# Altium PCB Railgun Control Board PCB Mk2.0.PcbDoc (part 2 of 2)
Units mm, origin at the board's own origin, x right, y up, seen from the top; angles counter-clockwise.
Board outline 60 x 60 mm, 4 copper layers (Top Layer, Layer 1, Layer 2, Bottom Layer), stack 1.312 mm thick; 102 components, 57 nets, 335 pads, 130 vias.
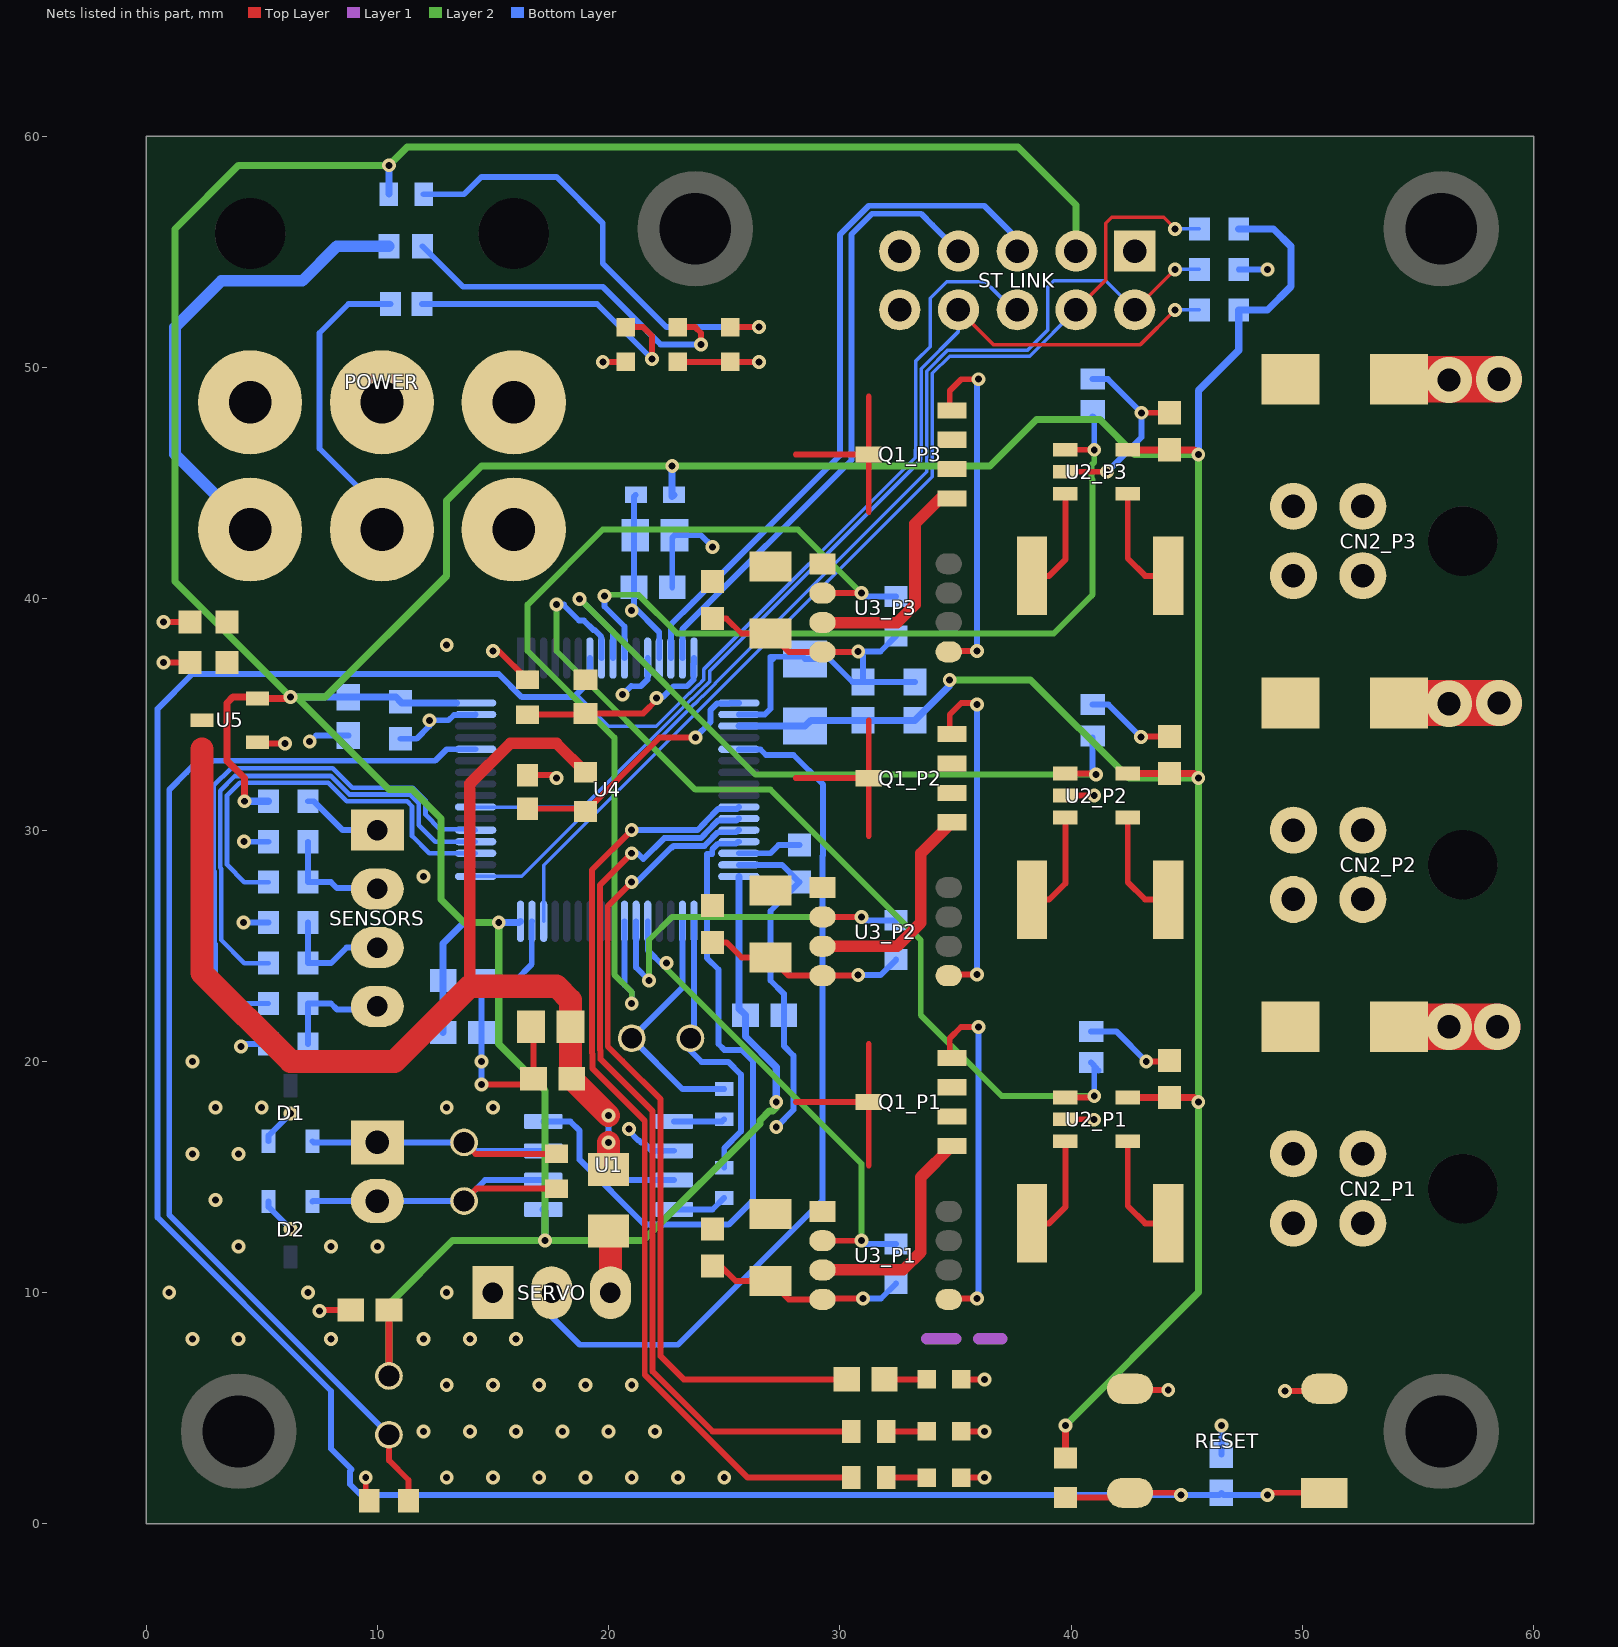
[diagram p4: the nets of this part, all layers, seen from the top]

## Part data (continued)
SERVO: library part CMP-00099-4, "CONN HEADER RT/A .100 3POS 15AU", Color=Black, Contact Current Rating=3A, Contact Resistance=15mR, Flammability Rating="UL94 V-0", Insulation Resistance=5GR, Max Operating Temperature=105°C, Min Operating Temperature=-65°C, Package Quantity=52, Approvals=CSA, Backwall/Post Interruptions="No (Without)", Connector Type=Plug,Header,Pin, Contact Gender=Male, Contact Material=Brass, Contact Mating Length=0.23inch, Contact Plating=Gold,Tin,Matte, Contact Retention="Yes (With)", Contact Shape=Square, Current Rating=3A, Depth=13.59mm, Height=13.59mm, Housing Color=Black, Housing Material=Thermoplastic, Lead Pitch=2.54mm, Length=0.4inch, Mating Alignment="Yes (With)", Mating Retention="Yes (With)", Mount="Through Hole", Number of Contacts=3, Number of Positions=3, Number of Rows=1, Orientation="Right Angle", Packaging=Rail/Tube, PCB Mount Alignment="No (Without)", PCB Mount Retention=Without, PCB Mounting Orientation="Right Angle", Pitch=2.54mm, Plating Thickness=2.54um, REACH SVHC="No SVHC", Row Spacing=0.1inch, Strain Relief="No (Without)", Tail Length=3.3mm, Termination=Crimp, Width=0.4inch
"ST LINK": library part CMP-00011-6, "CONN HEADER VERT 10POS 2.54MM", Color=Black, Package Quantity=1, Connector Type="Male Pin", Contact Plating=Gold, Lead Free="Lead Free", Mount="Through Hole", Number of Positions=10, Number of Rows=2, Packaging=Tray, Pitch=0.1inch, Row Spacing=0.1inch, Termination=Solder
U1: library part CMP-032-0000-2, "1/1 Transceiver Half CANbus 8-SO", Case/Package=SO, Max Operating Temperature=150°C, Max Supply Current=70mA, Max Supply Voltage=5.5V, Min Operating Temperature=-40°C, Min Supply Voltage=4.5V, Package Quantity=2500, Contact Plating=Gold, Data Rate=1Mbps, Interface=CAN, Lead Free="Lead Free", Mount="Surface Mount", Nominal Supply Current=70mA, Number of Pins=8, Number of Transceivers=1, Packaging="Tape and Reel", Propagation Delay=250ns, Radiation Hardening=No, Turn-On Delay Time=250ns
U2_P1 U2_P2 U2_P3: library part CMP-048-0001-2, Component Type=Standard, Created By="Jacob Lower", Created On=2016-03-16, Design Item ID="INA168, Current Sensor, High-Side, Analog", Pin Count=5, Publisher=AUVic, Source=AUVic_Schematic_Library_Sensors.SchLib
U3_P1 U3_P2 U3_P3: library part CMP-028-0000-2, "High-Side or Low-Side Gate Driver IC Non-Inverting 8-SOIC", Case/Package=SOIC, Max Operating Temperature=85°C, Max Output Current=10mA, Max Supply Voltage=30V, Min Operating Temperature=-40°C, Min Supply Voltage=2.75V, Package Quantity=2500, Channel Type=Single, Height=1.48mm, Lead Free="Lead Free", Length=4.93mm, Mount="Surface Mount", Number of Drivers=1, Number of Outputs=1, Number of Pins=8, Packaging="Tape and Reel", Turn-Off Delay Time=30us, Turn-On Delay Time=8ms, Width=3.94mm
U4: library part CMP-00006-2, "STMICROELECTRONICS - STM32F413RGT6 - MCU, ARM CORTEX-M4, 100MHZ, LQFP-64", Case/Package=LQFP, Frequency=100MHz, Max Operating Temperature=85°C, Min Operating Temperature=-40°C, Core Architecture=ARM, Interface=I2C,SPI,USB,IrDA,MMC,SDIO,UART,USART, Memory Size=1MB, Memory Type=FLASH, Number of I/Os=50, Oscillator Type=Internal, Packaging=Tray, Peripherals="Brown-out Detect/Reset,POR,PWM,WDT,DMA,LCD"
U5: library part CMP-00003-1, "IC REG LINEAR 3.3V 250MA SOT23-3", Case/Package=SOT-23-3, Dropout Voltage=400mV, Max Input Voltage=6.6V, Max Operating Temperature=85°C, Max Output Current=250mA, Min Input Voltage=2.5V, Min Operating Temperature=-40°C, Output Voltage=3.3V, Package Quantity=3000, Quiescent Current=1uA, Supplier Part Number 1=AP2138N-3.3TRG1, Accuracy=2%, Created By="Poorna Chander Kalidas", Date Created="June 26, 2020", Height=1.3mm, Lead Free="Lead Free", Length=3.02mm, Mount="Surface Mount", Number of Outputs=1, Number of Pins=3, Number of Regulators=1, Output Current=250mA, Output Type=Fixed, Packaging="Tape and Reel", Polarity=Positive, Supplier 1=Digi-Key, Weight=0.000282oz, Width=1.7mm

## Via types
v1: diameter 0.6, hole 0.3, Top Layer to Bottom Layer, tented both sides, 112 vias
v2: diameter 0.6, hole 0.3, Top Layer to Bottom Layer, 12 vias
v3: diameter 2, hole 1, Top Layer to Bottom Layer, tented both sides, 6 vias

## Nets (pads, with @x,y where several pads share a name; then routed paths per layer and width w, separated by ;. In a path a pad name is that pad's centre, name@x,y a point inside that pad or via, vN(x,y) a via of type N, cw(c..) or ccw(c..) an arc to the next point about the centre after c; other vN are vias at no path point)
3V3: "ST LINK.2" BOOT.1 C3.1 C4_P1.2 C4_P2.2 C4_P3.2 C10.1 C11.1 C12.1 C13.1 C14.1 C15.1 C16.1 C20.2 FB1.1 R8.1 R15.1 R18.1 R24.1 R28.1 U1.5 U2_P1.5 U2_P2.5 U2_P3.5 U4.19 U4.32 U4.48 U4.64 U5.2 | length 298.1
  Top Layer w0.305: v1(4.25,31.25) 4.25,32.25 3.5,33 3.5,35.5 3.75,35.75 4.766,35.75 U5.2@4.816,35.7 6.2,35.7 v1(6.25,35.75) ; BOOT.1@10.5,6.397 C3.1@10.5,9.25 ; R24.1@39.75,2.846 v1(39.75,4.25) ; 40.21,55.04 40.25,55.08 ; U2_P1.5@42.45,18.447 C4_P1.2@44.25,18.447 45.303,18.447 v1(45.5,18.25) ; U2_P2.5@42.45,32.447 C4_P2.2@44.25,32.447 45.303,32.447 v1(45.5,32.25) ; U2_P3.5@42.45,46.447 C4_P3.2@44.25,46.447 45.303,46.447 v1(45.5,46.25)
  Layer 2 w0.305: BOOT.1@10.5,6.397 10.5,9.5 13.25,12.25 v1(17.25,12.25) ; v1(27.25,18.25) 27.25,18 27.114,17.864 26.957,17.864 26.544,17.45 26.544,17.294 21.5,12.25 v1(17.25,12.25) ; v1(34.75,36.5) 38.25,36.5 42.5,32.25 v1(45.5,32.25) ; v1(39.75,4.25) 45.5,10 v1(45.5,18.25) v1(45.5,32.25) ; 40.21,55.04 40.212,55.042 40.212,57.038 37.706,59.544 25.218,59.544 22.282,59.544 11.294,59.544 v1(10.5,58.75) 4,58.75 1.25,56 1.25,40.75 v1(6.25,35.75) v1@6.5,35.75 ; v1@6.5,35.75 7.75,35.75 13,41 13,44.25 14.5,45.75 v1(22.75,45.75) 36.5,45.75 38.5,47.75 41.25,47.75 42.75,46.25 v1(45.5,46.25) v1(45.5,32.25) ; v1@6.5,35.75 10.5,31.75 11.5,31.75 12.75,30.5 12.75,27 13.75,26 v1(15.25,26) 15.25,20.75 17.25,18.75 v1(17.25,12.25)
  Bottom Layer w0.305: v1(4.25,31.25) R8.1@5.3,31.25 ; v1(6.25,35.75) C15.1@8.75,35.75 10.8,35.75 C20.2@11,35.55 11.05,35.5 U4.64@13.419,35.5 ; R28.1@10.5,57.5 v1(10.5,58.75) ; C11.1@12.846,21.25 C10.1@12.846,23.5 12.846,25.096 13.75,26 v1(15.25,26) 16.132,26 U4.48@16.183,26.05 ; U1.5@17.175,13.595 17.25,13.52 v1(17.25,12.25) ; v1(22.75,45.75) 22.75,44.425 FB1.1@22.825,44.5 ; U4.32@25.632,28 25.632,24.706 25.646,24.692 25.646,22.277 C12.1@25.923,22 25.923,21.077 27.25,19.75 v1(27.25,18.25) ; U4.19@25.632,34.5 C16.1@28.5,34.5 28.75,34.75 C14.1@31,34.75 C13.1@33.25,34.75 34.75,36.25 v1(34.75,36.5) ; v1(45.5,46.25) 45.5,49 47.25,50.75 R18.1@47.25,52.5 48.5,52.5 49.5,53.5 49.5,55.25 48.75,56 R15.1@47.25,56
5V: C1.1 C2.1 C18.2 C19.2 F1.2 POWER.4 R17.2 R27.1 U1.3 U5.3 | length 76.7
  Top Layer w0.5: 14,23.25 14,32 15.75,33.75 17.75,33.75 R17.2@19,32.5
  Top Layer w1: 2.416,33.5 2.416,23.834 6.25,20 10.75,20 14,23.25 17.75,23.25 18.35,22.65 C2.1@18.35,21.5 18.35,19.304 C1.1@18.404,19.25 v1(20,17.654) ; F1.2@20,15.33 v1(20,16.492)
  Bottom Layer w0.254: v1(20,17.654) v1(20,16.492) 20,15.5 20.635,14.865 U1.3@22.825,14.865
  Bottom Layer w0.5: POWER.4@4.5,43 1.25,46.25 1.25,51.75 3.25,53.75 6.75,53.75 8.25,55.25 R27.1@10.5,55.25
5V_ADC: R17.1 R20.2 U4.17 | length 11.4
  Top Layer w0.254: R20.2@16.5,30.923 18.877,30.923 R17.1@19,30.8 22.2,34 v1(23.75,34)
  Bottom Layer w0.254: v1(23.75,34) 23.75,34.019 24.411,34.681 24.411,35.2 24.694,35.483 25.233,35.483 25.25,35.5 U4.17@25.632,35.5
5V_DEBUG: "ST LINK.1"
blue: R9.1 U4.27 | length 39.1
  Top Layer w0.254: v1(21,29) 19.621,27.621 19.621,20.505 19.656,20.47 19.656,20.094 21.906,17.844 21.906,6.594 24.5,4 R9.1@30.5,4
  Bottom Layer w0.254: v1(21,29) 21.25,29 21.5,28.75 22.406,29.656 23.997,29.656 24.14,29.799 24.14,29.812 24.484,30.156 24.484,30.17 24.725,30.41 25.529,30.41 25.619,30.5 U4.27@25.632,30.5
BOOT0: BOOT.2 R25.1 U4.60 | length 49
  Top Layer w0.254: BOOT.2@10.5,3.857 10.5,2.75 11.35,1.9 R25.1@11.35,1
  Bottom Layer w0.254: BOOT.2@10.5,3.857 1,13.357 1,31.75 1.75,32.5 2.25,33 8.201,33 10.5,33 12.5,33 13,33.5 U4.60@14.25,33.5
CAN_N: "CAN BUS.2" CAN_PHYS.2 D2.2 R2.2 U1.6 | length 14.6
  Top Layer w0.254: CAN_PHYS.2@13.75,13.96 14.29,14.5 R2.2@17.75,14.5
  Bottom Layer w0.254: D2.2@7.2,13.95 7.21,13.96 10,13.96 CAN_PHYS.2@13.75,13.96 14.655,14.865 U1.6@17.175,14.865
CAN_P: "CAN BUS.1" CAN_PHYS.1 D1.1 R2.1 U1.7 | length 14.4
  Top Layer w0.254: CAN_PHYS.1@13.75,16.5 14.25,16 16.75,16 R2.1@17.75,16
  Bottom Layer w0.254: D1.1@7.2,16.55 7.25,16.5 10,16.5 CAN_PHYS.1@13.75,16.5 14.115,16.135 U1.7@17.175,16.135
"Current Shunt In_P1": D3_P1.2 Q1_P1.1 Q1_P1.2 Q1_P1.3 R6_P1.2 U2_P1.3 U3_P1.3 | length 14.3
  Top Layer w0.254: R6_P1.2@38.3,12.997 39.05,12.997 39.75,13.697 U2_P1.3@39.75,16.547
  Top Layer w0.5: U3_P1.3@29.25,10.977 29.273,11 32.75,11 33.5,11.75 33.5,14.992 Q1_P1.1@34.85,16.342
"Current Shunt In_P2": D3_P2.2 Q1_P2.1 Q1_P2.2 Q1_P2.3 R6_P2.2 U2_P2.3 U3_P2.3 | length 14.2
  Top Layer w0.254: R6_P2.2@38.3,26.997 39.05,26.997 39.75,27.697 U2_P2.3@39.75,30.547
  Top Layer w0.5: U3_P2.3@29.25,24.977 32.477,24.977 33.5,26 33.5,28.992 Q1_P2.1@34.85,30.342
"Current Shunt In_P3": D3_P3.2 Q1_P3.1 Q1_P3.2 Q1_P3.3 R6_P3.2 U2_P3.3 U3_P3.3 | length 14.5
  Top Layer w0.254: R6_P3.2@38.3,40.997 39.05,40.997 39.75,41.697 U2_P3.3@39.75,44.547
  Top Layer w0.5: U3_P3.3@29.25,38.977 32.477,38.977 33.25,39.75 33.25,43.25 34.342,44.342 Q1_P3.1@34.85,44.342
"Current Shunt Out_P1": CN2_P1.3 CN2_P1.4 R6_P1.1 U2_P1.4 | length 4.9
  Top Layer w0.254: U2_P1.4@42.45,16.547 42.45,13.747 43.2,12.997 R6_P1.1@44.2,12.997
"Current Shunt Out_P2": CN2_P2.3 CN2_P2.4 R6_P2.1 U2_P2.4 | length 4.9
  Top Layer w0.254: U2_P2.4@42.45,30.547 42.45,27.747 43.2,26.997 R6_P2.1@44.2,26.997
"Current Shunt Out_P3": CN2_P3.3 CN2_P3.4 R6_P3.1 U2_P3.4 | length 4.9
  Top Layer w0.254: U2_P3.4@42.45,44.547 42.45,41.747 43.2,40.997 R6_P3.1@44.2,40.997
GND: 3V3.1 5V.1 "ST LINK.5" "ST LINK.10" C1.2 C2.2 C3.2 C4_P1.1 C4_P2.1 C4_P3.1 C5_P1.2 C5_P2.2 C5_P3.2 C6_P1.2 C6_P2.2 C6_P3.2 C7.2 C8.2 C9.2 C10.2 C11.2 C12.2 C13.2 C14.2 C15.2 C16.2 C17.2 C18.1 C19.1 C20.1 D1.2 D2.1 D4.1 D5.1 D6.1 NT?.2 R4_P1.1 R4_P2.1 R4_P3.1 R5_P1.2 R5_P2.2 R5_P3.2 R10.2 R11.2 R13.2 R14.1 R19.2 R20.1 R25.2 RESET.3 RESET.4 SERVO.1 U1.2 U2_P1.2 U2_P2.2 U2_P3.2 U3_P1.4 U3_P2.4 U3_P3.4 U4.12 U4.18 U4.31 U4.47 U4.63 U5.1 VBATT.1 | length 130.9
  Top Layer w0.254: v1(0.75,37.25) C19.1@1.9,37.25 ; v1(0.75,39) C18.1@1.9,39 ; U5.1@4.816,33.8 4.866,33.75 v1(6,33.75) ; v1@7.5,9.25 C3.2@8.846,9.25 ; v1(9.5,2) 9.5,1.15 R25.2@9.65,1 ; v1(14.5,19) 16.5,19 C1.2@16.75,19.25 16.75,21.4 C2.2@16.65,21.5 ; v1(15,37.75) 15.25,37.75 R19.2@16.5,36.5 ; R20.1@16.5,32.377 17.623,32.377 v1(17.75,32.25) ; v1(19.75,50.25) VBATT.1@20.75,50.25 ; 5V.1@23,50.25 3V3.1@25.25,50.25 v1@26.5,50.25 ; C5_P1.2@24.5,11.147 24.853,11.147 25.5,10.5 26.997,10.5 C6_P1.2@27,10.497 27.79,9.707 U3_P1.4@29.25,9.707 29.293,9.75 v1(31,9.75) ; C5_P2.2@24.5,25.147 25.103,25.147 25.75,24.5 26.997,24.5 C6_P2.2@27,24.497 27.79,23.707 U3_P2.4@29.25,23.707 30.772,23.707 v1(30.793,23.729) ; C5_P3.2@24.5,39.147 25.103,39.147 25.75,38.5 26.997,38.5 C6_P3.2@27,38.497 27.79,37.707 U3_P3.4@29.25,37.707 30.772,37.707 v1(30.793,37.729) ; D6.1@35.25,2 v1(36.25,2) ; D5.1@35.25,4 v1(36.25,4) ; D4.1@35.25,6.25 v1(36.25,6.25) ; U2_P1.2@39.75,17.497 v1@41,17.497 ; U2_P2.2@39.75,31.497 v1(41,31.497) ; U2_P3.2@39.75,45.497 v1(41.557,45.497) ; RESET.4@42.55,5.846 42.598,5.798 v1(44.202,5.798) v1@44.25,5.75 ; v1@43,34 v1(43.024,34.024) 43.047,34.047 C4_P2.1@44.25,34.047 ; v1@43,48 v1(43.047,48.047) C4_P3.1@44.25,48.047 ; v1(43.25,20) 44.203,20 C4_P1.1@44.25,20.047 ; v1(49.25,5.75) 50.854,5.75 RESET.3@50.95,5.846
  Layer 1 w0.5: 33.75,8 NT?.2@35,8
  Bottom Layer w0.254: v1(4.109,20.65) 4.15,20.65 4.25,20.75 R13.2@5.3,20.75 ; v1(4.242,29.502) 4.244,29.5 R10.2@5.3,29.5 ; v1@4.25,26 R11.2@5.3,26 ; D2.1@5.3,13.95 5.3,13.7 v1(6.25,12.75) ; D1.2@5.3,16.55 5.3,16.8 v1(6.25,17.75) ; v1(7.076,33.826) 7.346,34.096 C15.2@8.75,34.096 ; C20.1@11,33.95 11.7,33.95 12.25,34.5 v1(12.25,34.75) 13.079,34.75 13.312,34.983 14.233,34.983 U4.63@14.25,35 ; v1(14.5,19) v1(14.5,20) C11.2@14.5,21.25 C10.2@14.5,23.5 15.971,23.5 16.677,24.206 16.677,26.044 U4.47@16.691,26.059 ; v1(20.607,35.857) 20.981,36.231 20.991,36.22 21.391,36.22 21.674,36.503 21.674,36.924 21.691,36.941 U4.12@21.691,37.441 ; v1(20.881,17.071) 20.881,16.986 21.287,16.58 21.319,16.58 21.399,16.5 21.5,16.5 21.865,16.135 U1.2@22.825,16.135 ; C8.2@22.75,40.5 22.75,42.65 C7.2@22.85,42.75 24,42.75 v1(24.5,42.25) ; U4.31@25.632,28.5 27.5,28.5 C9.2@28.25,27.75 27,26.5 27,23.5 27.577,22.923 C12.2@27.577,22 27.577,20.673 28,20.25 28,17.907 v1(27.25,17.157) ; U4.18@25.632,35 26.75,35 27,35.25 27,37.393 ; 27.107,37.393 27,37.393 ; v1(30.793,23.729) 31.761,23.729 R5_P2.2@32.433,24.4 ; v1(31,9.75) 31.783,9.75 R5_P1.2@32.433,10.4 ; R5_P3.2@32.433,38.4 31.761,37.729 v1(30.793,37.729) 31,37.522 C14.2@31,36.404 ; C13.2@33.25,36.404 C14.2@31,36.404 ; R4_P1.1@40.866,21.3 41.95,21.3 v1(43.25,20) ; R4_P2.1@40.933,35.428 41.619,35.428 v1(43.024,34.024) ; R4_P3.1@40.933,49.503 41.591,49.503 v1(43.047,48.047) 43.047,46.988 v1(41.557,45.497) ; C17.2@46.5,3 v1(46.5,4.25) ; R14.1@47.25,54.25 v1(48.5,54.25) ; 27,37.393 27,37.5 28.4,37.5 C16.2@28.5,37.4 29.55,37.4 30.546,36.404 C14.2@31,36.404
  other v1: 13,2 15,2 17,2 19,2 21,2 23,2 25,2 12,4 14,4 16,4 18,4 20,4 22,4 13,6 15,6 17,6 19,6 21,6 2,8 4,8 8,8 12,8 14,8 16,8 7.494,9.213 1,10 7,10 13,10 4,12 8,12 10,12 3,14 2,16 4,16 40.982,17.48 3,18 5,18 13,18 15,18 2,20 4.211,26.002 12,28 13,38 26.5,50.251
green: R12.1 U4.26 | length 41.1
  Top Layer w0.254: v1(21,30) 19.277,28.277 19.277,20.363 19.312,20.328 19.312,19.688 21.562,17.438 21.562,6.452 26.014,2 R12.1@30.5,2
  Bottom Layer w0.254: v1(21,30) 23.841,30 24.14,30.299 24.14,30.312 24.484,30.656 24.484,30.67 24.725,30.91 25.543,30.91 U4.26@25.632,31
NetCN4_3: F1.1 SERVO.3 | length 2.7
  Top Layer w1: F1.1@20,12.67 20.08,12.59 SERVO.3@20.08,10
NetCN5_1: R8.2 SENSORS.1 | length 3.5
  Bottom Layer w0.254: R8.2@7,31.25 7.25,31.25 8.5,30 SENSORS.1@10,30
NetD4_2: D4.2 R7.2 | length 2
  Top Layer w0.254: R7.2@31.731,6.25 D4.2@33.75,6.25
NetD5_2: D5.2 R9.2 | length 1.7
  Top Layer w0.254: R9.2@32,4 D5.2@33.75,4
NetD6_2: D6.2 R12.2 | length 1.7
  Top Layer w0.254: R12.2@32,2 D6.2@33.75,2
NetD8_2: R26.2 VBATT.2 | length 13.2
  Top Layer w0.254: VBATT.2@20.75,51.75 21.5,51.75 21.875,51.375 v1(21.875,50.375)
  Bottom Layer w0.254: R26.2@11.925,52.75 19.5,52.75 v1(21.875,50.375)
NetD9_2: 5V.2 R27.2 | length 15.4
  Top Layer w0.254: 5V.2@23,51.75 23.75,51.75 24,51.5 v1(24,51)
  Bottom Layer w0.254: R27.2@11.95,55.25 13.7,53.5 19.75,53.5 22,51.25 22.25,51 v1(24,51)
NetD10_2: 3V3.2 R28.2 | length 19.8
  Top Layer w0.254: 3V3.2@25.25,51.75 v1(26.5,51.75)
  Bottom Layer w0.254: R28.2@12,57.5 13.75,57.5 14.5,58.25 17.75,58.25 19.75,56.25 19.75,54.5 22.5,51.75 v1(26.5,51.75)
NetJP1_1: CAN_DEBUG.1 R1.1 U4.34 | length 10.9
  Bottom Layer w0.254: U4.34@23.191,26.059 23.191,23.191 CAN_DEBUG.1@21,21 23.2,18.8 R1.1@25,18.8
NetJP1_2: CAN_DEBUG.2 R3.1 U4.33 | length 12.6
  Bottom Layer w0.254: U4.33@23.691,26.059 23.691,24.441 23.691,21.151 CAN_DEBUG.2@23.54,21 23.54,20.46 24.02,19.98 25.174,19.98 25.727,19.427 25.727,16.977 25,16.25 R3.1@25,15.4
NetQ1_P1_4: Q1_P1.4 U3_P1.5 | length 15.4
  Top Layer w0.254: U3_P1.5@34.71,9.707 34.75,9.667 34.833,9.75 v1(35.933,9.75) ; Q1_P1.4@34.85,20.152 34.75,20.252 34.75,21 35.242,21.492 v1(36,21.492)
  Bottom Layer w0.254: v1(35.933,9.75) 36,9.817 v1(36,21.492)
NetQ1_P2_4: Q1_P2.4 U3_P2.5 | length 15.3
  Top Layer w0.254: U3_P2.5@34.71,23.707 34.75,23.667 34.833,23.75 v1(35.933,23.75) ; Q1_P2.4@34.85,34.152 34.75,34.252 34.75,35 35.25,35.5 35.866,35.5 v1(35.933,35.433)
  Bottom Layer w0.254: v1(35.933,23.75) 35.933,34.264 v1(35.933,35.433)
NetQ1_P3_4: Q1_P3.4 U3_P3.5 | length 15.4
  Top Layer w0.254: U3_P3.5@34.71,37.707 34.75,37.667 34.833,37.75 v1(35.933,37.75) ; Q1_P3.4@34.85,48.152 34.75,48.252 34.75,49 35.25,49.5 v1(36,49.5)
  Bottom Layer w0.254: v1(35.933,37.75) 35.933,48.264 35.933,49.433 v1(36,49.5)
NetR1_2: R1.2 U1.1 | length 2.2
  Bottom Layer w0.254: U1.1@22.825,17.405 24.905,17.405 R1.2@25,17.5
NetR3_2: R3.2 U1.4 | length 2.4
  Bottom Layer w0.254: U1.4@22.825,13.595 24.495,13.595 R3.2@25,14.1
NetR21_1: R21.1 U4.51 | length 18.1
  Bottom Layer w0.203: R21.1@5.3,27.75 4.25,27.75 3.5,28.5 3.5,31.5 4.052,32.052 7.869,32.052 8.676,31.245 8.755,31.245 11.023,31.245 11.29,31.245 11.499,31.036 11.499,30.769 11.499,30.087 11.499,29.751 12.25,29 U4.51@14.25,29
NetR22_1: R22.1 U4.52 | length 22
  Bottom Layer w0.203: R22.1@5.3,24.25 4.25,24.25 3.25,25.25 3.25,28.335 3.207,28.379 3.207,31.707 3.845,32.345 7.991,32.345 8.798,31.538 9.212,31.538 11.144,31.538 11.412,31.538 11.792,31.158 11.792,30.89 11.792,30.208 12.5,29.5 U4.52@14.25,29.5
NetR23_1: R23.1 U4.53 | length 24.1
  Bottom Layer w0.203: R23.1@5.3,22.5 4.25,22.5 3,23.75 3,25.085 2.957,25.129 2.957,28.214 2.914,28.257 2.914,31.914 3.681,32.681 8.069,32.681 8.919,31.831 11.265,31.831 11.533,31.831 12.085,31.279 12.085,30.661 12.704,30.042 14.208,30.042 U4.53@14.25,30
NetU1_8: U1.8 U4.29 | length 30.1
  Bottom Layer w0.254: U1.8@17.175,17.405 18.345,17.405 18.75,17 18.75,15.75 21.557,12.943 25.193,12.943 26.25,14 26.25,20 25.75,20.5 25,20.5 24.75,20.75 24.75,22.75 24.75,23.5 24.75,23.972 24.25,24.472 24.25,27.5 24.25,28.968 24.484,28.968 24.484,29.17 24.725,29.41 25.502,29.41 25.592,29.5 U4.29@25.632,29.5
NRST: "ST LINK.8" C17.1 R24.2 RESET.1 RESET.2 U4.7 | length 137.6
  Top Layer w0.254: R24.2@39.75,1.146 42.35,1.146 RESET.2@42.55,1.346 v1@44.75,1.346 ; v1@48.5,1.346 RESET.1@50.95,1.346
  Bottom Layer w0.152: 18.625,35.875 20,34.5 22.064,34.5 23.491,35.927 23.513,35.927 23.857,36.271 23.87,36.271 24.124,36.524 24.124,36.966 33.265,46.108 33.265,46.451 33.273,46.458 33.273,50.273 33.911,50.911 33.911,53.005 34.625,53.719 36.281,53.719 36.75,53.25 37.5,52.5 37.67,52.5
  Bottom Layer w0.254: U4.7@19.191,37.441 19.191,36.441 18.625,35.875 18.5,35.75 16.25,35.75 15.25,36.75 2,36.75 0.5,35.25 0.5,13.25 8,5.75 8,3.25 8.893,2.357 8.819,2.282 8.819,1.718 9.218,1.319 9.782,1.319 9.857,1.393 10,1.25 v1(44.75,1.25) 46.404,1.25 C17.1@46.5,1.346 46.596,1.25 v1(48.5,1.25)
PGND: CN2_P1.1 CN2_P1.2 CN2_P2.1 CN2_P2.2 CN2_P3.1 CN2_P3.2 D3_P1.1 D3_P2.1 D3_P3.1 NT?.1 POWER.1 POWER.2 POWER.3 | length 13.9
  Top Layer w2: D3_P1.1@54.183,21.5 v3(56.341,21.5) v3(58.432,21.5) ; D3_P2.1@54.183,35.5 v3(58.5,35.5) ; D3_P3.1@54.183,49.5 v3(58.5,49.5)
  Layer 1 w0.5: NT?.1@36,8 37,8
  other v3: 56.341,35.464 56.341,49.464
Phase_Current1: R4_P1.2 U2_P1.1 U4.8 | length 41.5
  Top Layer w0.254: U2_P1.1@39.75,18.447 v2@41,18.447
  Layer 2 w0.254: v2(17.75,39.75) 17.75,37.75 23.75,31.75 27,31.75 33.5,25.25 33.5,23.875 33.5,23 33.5,22 37,18.5 v2(41,18.5)
  Bottom Layer w0.254: v2(17.75,39.75) 18.069,39.75 18.069,39.718 18.718,39.069 18.931,39.069 19.338,38.662 19.391,38.662 19.674,38.379 19.674,38.326 19.691,38.309 U4.8@19.691,37.441 ; R4_P1.2@40.866,19.95 41,19.816 v2(41,18.5) ; R4_P1.2@41.049,19.743 R4_P1.2@41.188,19.604
Phase_Current2: R4_P2.2 U2_P2.1 U4.9 | length 31.5
  Top Layer w0.254: U2_P2.1@39.75,32.447 v2@41,32.447
  Layer 2 w0.254: v2(18.75,40) 26.346,32.404 v2(41.072,32.404)
  Bottom Layer w0.254: v2(18.75,40) 20.191,38.559 U4.9@20.191,37.441 ; R4_P2.2@40.933,34 40.933,32.543 v2(41.072,32.404)
Phase_Current3: R4_P3.2 U2_P3.1 U4.10 | length 34.6
  Top Layer w0.254: U2_P3.1@39.75,46.447 v2(41,46.447)
  Layer 2 w0.254: v2(19.827,40.131) 19.877,40.181 20.718,40.181 21.282,40.181 22.963,38.5 39.25,38.5 40.876,40.126 40.933,40.183 40.933,45.158 40.876,45.215 40.876,45.779 40.933,45.837 41,45.904 v2(41,46.447)
  Bottom Layer w0.254: v2(19.827,40.131) 19.827,39.673 20.691,38.809 U4.10@20.691,37.441 ; R4_P3.2@40.933,47.9 41,47.833 v2(41,46.447)
Phase_Input1: R5_P1.1 U3_P1.2 U4.37 | length 21.2
  Top Layer w0.254: U3_P1.2@29.25,12.247 30.93,12.247 v2(30.933,12.25)
  Layer 2 w0.254: v2(22.5,24.25) 22.5,24.192 22.409,24.101 30.933,15.577 v2(30.933,12.25)
  Bottom Layer w0.254: U4.37@21.691,26.059 21.691,24.809 22.371,24.129 22.425,24.129 22.5,24.204 v2(22.5,24.25) ; v2(30.933,12.25) 31.083,12.1 R5_P1.1@32.433,12.1
Phase_Input2: R5_P2.1 U3_P2.2 U4.38 | length 17.4
  Top Layer w0.254: U3_P2.2@29.25,26.247 30.93,26.247 v2(30.933,26.25)
  Layer 2 w0.254: v2(21.75,23.5) 21.75,25.25 22.75,26.25 v2(30.933,26.25)
  Bottom Layer w0.254: U4.38@21.191,26.059 21.191,24.059 v2(21.75,23.5) ; v2(30.933,26.25) 31.083,26.1 R5_P2.1@32.433,26.1
Phase_Input3: R5_P3.1 U3_P3.2 U4.39 | length 43
  Top Layer w0.254: U3_P3.2@29.25,40.247 30.93,40.247 v2(30.933,40.25)
  Layer 2 w0.254: v2(21,22.5) 21,23 20.25,23.75 20.25,34 16.5,37.75 16.5,39.75 19.75,43 28.183,43 v2(30.933,40.25)
  Bottom Layer w0.254: U4.39@20.691,26.059 20.691,23.309 21,23 v2(21,22.5) ; v2(30.933,40.25) 31.083,40.1 R5_P3.1@32.433,40.1
red: R7.1 U4.28 | length 36.1
  Top Layer w0.254: v1(21,27.75) 19.965,26.715 19.965,20.648 20.594,20.019 22.25,18.363 22.25,7.25 23.25,6.25 R7.1@30.5,6.25
  Bottom Layer w0.254: v1(21,27.75) 21.211,27.75 22.711,29.25 22.75,29.25 22.812,29.312 24.14,29.312 ; 24.14,29.312 24.484,29.656 24.484,29.67 24.725,29.91 25.516,29.91 25.605,30 U4.28@25.632,30
"Sensor Input 1": R10.1 R21.2 SENSORS.2 | length 4.9
  Bottom Layer w0.254: R10.1@7,29.5 R21.2@7,27.75 8,27.75 8.25,27.5 9.96,27.5 SENSORS.2@10,27.46
"Sensor Input 2": R11.1 R22.2 SENSORS.3 | length 5
  Bottom Layer w0.254: R11.1@7,26 R22.2@7,24.25 8,24.25 8.67,24.92 SENSORS.3@10,24.92
"Sensor Input 3": R13.1 R23.2 SENSORS.4 | length 4.9
  Bottom Layer w0.254: R13.1@7,20.75 R23.2@7,22.5 8,22.5 8.25,22.25 9.87,22.25 SENSORS.4@10,22.38
"Servo Motor": SERVO.2 U4.21 | length 38.1
  Bottom Layer w0.254: SERVO.2@17.54,10 17.54,8.96 18.75,7.75 23,7.75 29.25,14 29.25,28.888 29.269,28.907 29.269,31.981 28,33.25 26.804,33.25 26.57,33.483 25.649,33.483 U4.21@25.632,33.5
SWCLK: "ST LINK.6" R14.2 U4.49 | length 46.9
  Top Layer w0.152: 42.75,52.5 v1(44.5,54.25)
  Bottom Layer w0.152: U4.49@14.25,28 16.25,28 23.692,35.442 23.714,35.442 24.058,35.786 24.071,35.786 24.608,36.323 24.608,36.358 33.75,45.5 33.75,46.25 33.758,46.258 33.758,49.85 34.65,50.742 38.11,50.742 39,51.633 39,51.986 38.991,51.995 38.991,53.005 39,53.014 39,53.5 39.25,53.75 41.5,53.75 42.75,52.5 ; v1(44.5,54.25) R14.2@45.55,54.25
SWDIO: "ST LINK.7" R15.2 U4.46 | length 46.6
  Top Layer w0.152: 40.21,52.5 41.5,53.79 41.5,56.25 41.75,56.5 44,56.5 v1(44.5,56)
  Bottom Layer w0.152: U4.46@17.191,26.059 17.191,28.48 24.961,36.25 34,45.289 34,49.75 34.75,50.5 38.21,50.5 40.21,52.5 ; v1(44.5,56) R15.2@45.55,56
SWO: "ST LINK.9" R18.2 U4.55 | length 44.6
  Top Layer w0.152: 35.13,52.5 36.63,51 43,51 v1(44.5,52.5)
  Bottom Layer w0.152: U4.55@14.25,31 18.907,31 23.592,35.684 23.613,35.684 23.957,36.028 23.971,36.028 24.366,36.424 24.366,36.866 33.508,46.008 33.508,46.35 33.515,46.358 33.515,49.951 35.13,51.566 35.13,52.5 ; v1(44.5,52.5) R18.2@45.55,52.5
UART_RX: "ST LINK.4" U4.15 | length 27
  Bottom Layer w0.254: U4.15@23.191,37.441 23.191,38.691 30.5,46 30.5,55.764 31.392,56.656 33.514,56.656 34,56.17 35.13,55.04
UART_TX: "ST LINK.3" U4.14 | length 30.7
  Bottom Layer w0.254: U4.14@22.691,37.441 22.691,38.894 23.656,39.858 30,46.202 30,55.75 31.25,57 36.25,57 37.67,55.58 37.67,55.04
VBATT: C5_P1.1 C5_P2.1 C5_P3.1 C6_P1.1 C6_P2.1 C6_P3.1 POWER.5 POWER.6 Q1_P1.5 Q1_P2.5 Q1_P3.5 R16.1 R26.1 U3_P1.1 U3_P2.1 U3_P3.1 | length 37.9
  Top Layer w0.254: 28.091,18.242 28.096,18.247 Q1_P1.5@31.25,18.247 ; 28.091,32.242 28.096,32.247 Q1_P2.5@31.25,32.247 ; 28.091,46.242 28.096,46.247 Q1_P3.5@31.25,46.247 ; 31.25,15.5 Q1_P1.5@31.25,18.247 ; 31.25,20.75 Q1_P1.5@31.25,18.247 ; 31.25,29.75 Q1_P2.5@31.25,32.247 ; 31.25,34.75 Q1_P2.5@31.25,32.247 ; 31.25,43.75 Q1_P3.5@31.25,46.247 ; 31.25,48.75 Q1_P3.5@31.25,46.247
  Bottom Layer w0.254: POWER.5@10.2,43 10.2,43.8 7.5,46.5 7.5,51.5 8.75,52.75 R26.1@10.575,52.75
VBATT_ADC: R16.2 R19.1 U4.16 | length 8.9
  Top Layer w0.254: R19.1@16.5,35 18.95,35 R16.2@19,35.05 21.5,35.05 22.118,35.668 v1(22.075,35.712)
  Bottom Layer w0.254: v1(22.075,35.712) 22.181,35.819 22.25,35.75 22.336,35.75 22.806,36.22 23.391,36.22 23.674,36.503 23.674,37.174 23.691,37.191 U4.16@23.691,37.441
VCAP1: C9.1 U4.30 | length 2.8
  Bottom Layer w0.254: U4.30@25.632,29 27,29 27.35,29.35 C9.1@28.25,29.35
VREF+: C7.1 C8.1 FB1.2 U4.13 | length 7.5
  Bottom Layer w0.254: FB1.2@21.175,44.5 21.096,44.421 21.096,42.75 C8.1@21.096,40.5 21.096,39.654 22.191,38.559 U4.13@22.191,37.441
  other v1: 21,39.5
pads on no net: CN2_P1.None CN2_P2.None CN2_P3.None D1.3 D2.3 MH1.1 MH2.1 MH3.1 MH4.1 POWER.None1 POWER.None2 U3_P1.6 U3_P1.7 U3_P1.8 U3_P2.6 U3_P2.7 U3_P2.8 U3_P3.6 U3_P3.7 U3_P3.8 U4.1 U4.2 U4.3 U4.4 U4.5 U4.6 U4.11 U4.20 U4.22 U4.23 U4.24 U4.25 U4.35 U4.36 U4.40 U4.41 U4.42 U4.43 U4.44 U4.45 U4.50 U4.54 U4.56 U4.57 U4.58 U4.59 U4.61 U4.62

## Polygon pours and split planes (outlines as drawn)
PGND on Top Layer "PGND_L01_P020" (solid, remove dead copper, pour order 20): 19.75,45.5 0,45.5 0,60 60,60 60,0 35.75,0 35.75,8.991 35.741,9 51,9 51,51 19.75,51
VBATT on Top Layer "VBATT_L01_P015" (solid, remove dead copper, pour order 15): 7.25,40 7.25,45.5 19.75,45.5 19.75,51 35.75,51 35.75,50.5 35.75,7 16,7 16,40
"Current Shunt In_P3" on Top Layer "CURRENT_SHUNT_IN_P3_L01_P011" (solid, remove dead copper, pour order 11): 45.5,45.497 47.75,47.747 51,47.747 51,51 36,51 36,47.697 33.5,47.697 33.5,42.947 36,42.947 36,37 41,37 41,45.497
"Current Shunt In_P2" on Top Layer "CURRENT_SHUNT_IN_P2_L01_P010" (solid, remove dead copper, pour order 10): 45.5,31.497 47.75,33.747 51,33.747 51,37 36,37 36,33.697 33.5,33.697 33.5,28.947 36,28.947 36,23 41,23 41,31.497
5V on Top Layer "5V_L01_P016" (solid, pour order 16): 7.25,38.5 7.25,45.5 0,45.5 0,32.5 3.75,32.5 3.75,35
"Current Shunt Out_P3" on Top Layer "CURRENT_SHUNT_OUT_P3_L01_P009" (solid, remove dead copper, pour order 9): 41,45.497 45.5,45.497 47.75,47.747 51,47.747 51,37 41,37
"Current Shunt In_P1" on Top Layer "CURRENT_SHUNT_IN_P1_L01_P012" (solid, remove dead copper, pour order 12): 45.5,17.497 47.75,19.747 51,19.747 51,23 36,23 36,19.697 33.5,19.697 33.5,14.947 36,14.947 36,9 41,9 41,17.497
"Current Shunt Out_P2" on Top Layer "CURRENT_SHUNT_OUT_P2_L01_P008" (solid, remove dead copper, pour order 8): 41,31.497 45.5,31.497 47.75,33.747 51,33.747 51,23 41,23
"Current Shunt Out_P1" on Top Layer "CURRENT_SHUNT_OUT_P1_L01_P007" (solid, remove dead copper, pour order 7): 41,17.497 45.5,17.497 47.75,19.747 51,19.747 51,9 41,9
GND on Layer 1 "GND_L02_P017" (solid, pour order 17): 0,45.5 35.75,45.5 35.75,0 0,0
PGND on Layer 1 "PGND_L02_P013" (solid, pour order 13): 0,45.5 35.75,45.5 35.75,0 60,0 60,60 0,60
GND on Layer 2 "GND_L03_P014" (solid, pour order 14): 0,0 0,60 60,60 60,0

## Keep-outs
Keep-Out Layer:
  the board outline again, w0.254

## Silkscreen, mask and mechanical layers (free items; w line width, h text height)
Top Overlay:
  text "Railgun  / Control  / Board / MK 2.0" at 20.75,30 h0.8
  text "Miguel Manguerra / AUVIC Fall 2020" at 12,26.25 h0.8

## Dimensions
0,60 to 60,60 on Top Assembly
0,0 to 0,60 on Top Assembly
23.75,56 to 56,56 on Top Assembly
56,4 to 4,4 on Top Assembly
56,4 to 56,56 on Top Assembly